# Altium PCB CORE_BOARD.PcbDoc (part 2 of 2)
Units mm, origin at the board's own origin, x right, y up, seen from the top; angles counter-clockwise.
Board outline 58 x 85.8 mm, 4 copper layers (Top Layer, PWR02, GND03, Bottom Layer), stack 1.883 mm thick; 89 components, 117 nets, 444 pads, 229 vias.
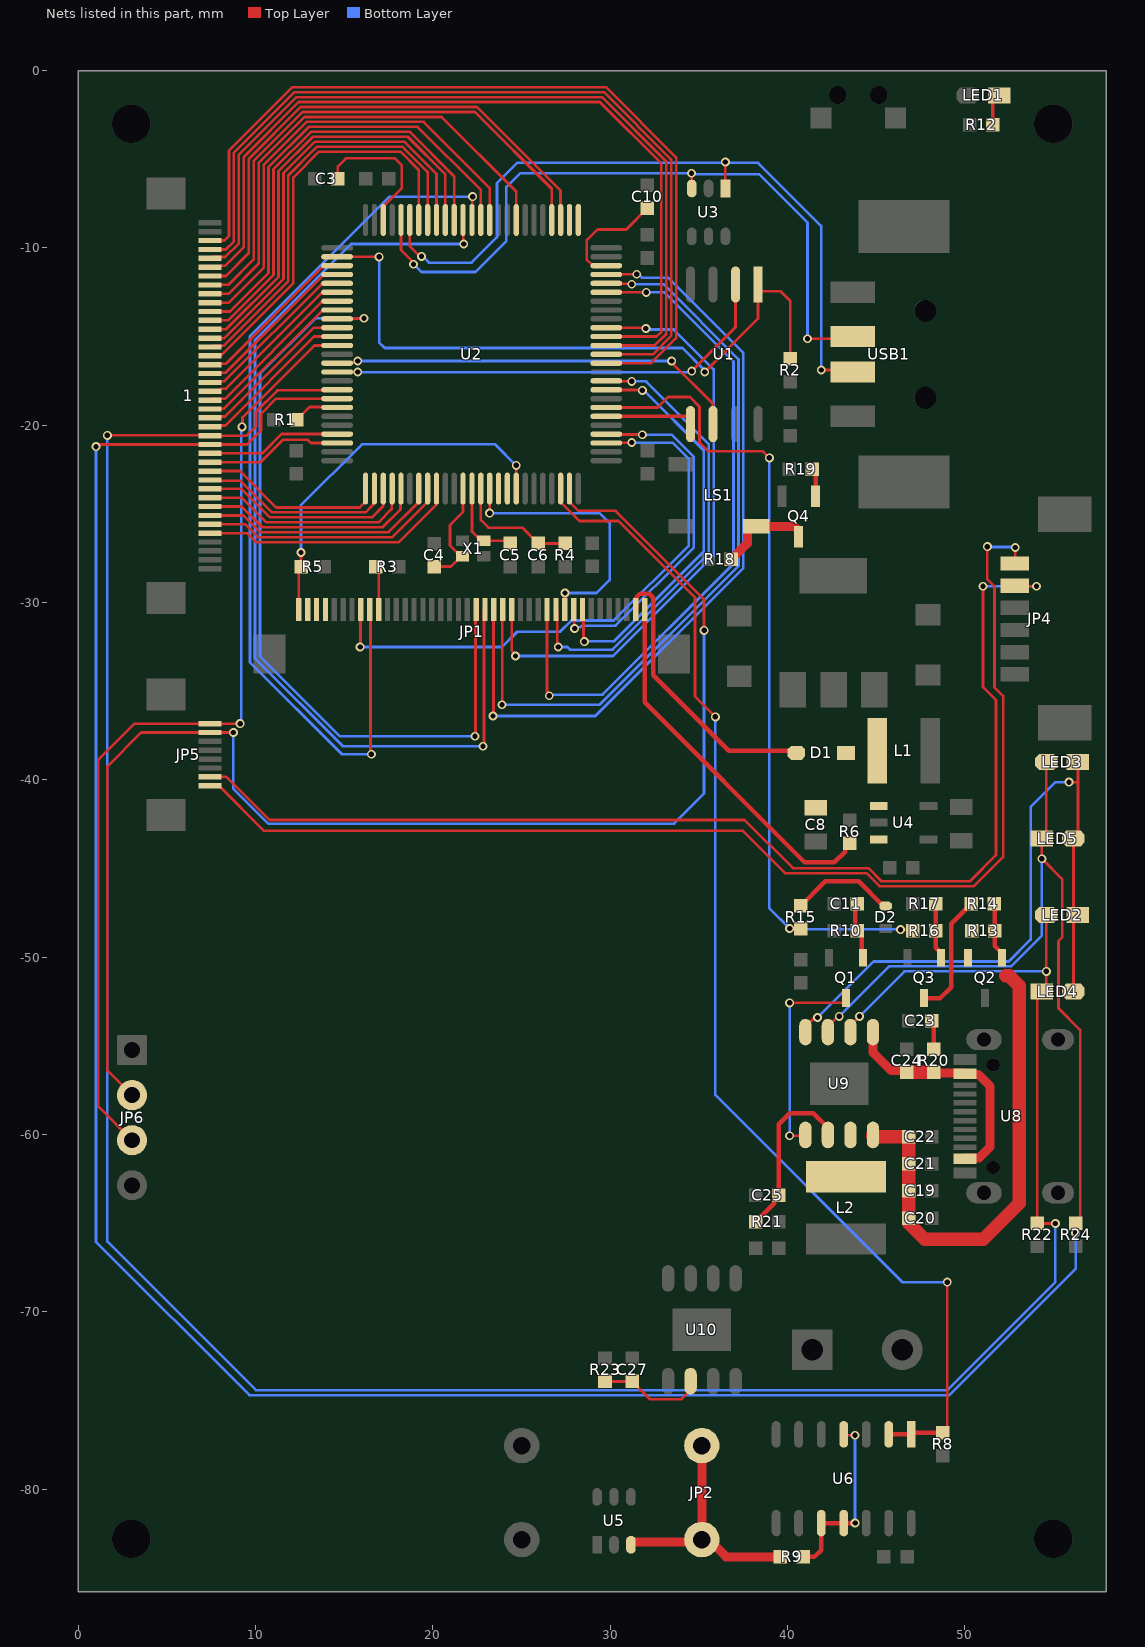
[diagram p4: the nets of this part, all layers, seen from the top]

## Via types
v1: diameter 0.5, hole 0.3, Top Layer to Bottom Layer, tented both sides, 229 vias

## Nets (pads, with @x,y where several pads share a name; then routed paths per layer and width w, separated by ;. In a path a pad name is that pad's centre, name@x,y a point inside that pad or via, vN(x,y) a via of type N, cw(c..) or ccw(c..) an arc to the next point about the centre after c; other vN are vias at no path point) (continued)
LCD_G3: JP1.25 U2.41 | length 33.8
  Top Layer w0.152: JP1.25@24.451,-30.4 24.451,-32.707 24.67,-32.926 v1(24.67,-33.02) ; U2.41@29.788,-14.502 31.973,-14.502 v1(32.02,-14.549)
  Bottom Layer w0.152: v1(24.67,-33.02) 30.178,-33.02 35.846,-27.352 35.846,-16.863 33.588,-14.605 32.076,-14.605 v1(32.02,-14.549)
LCD_G4: JP1.24 U2.46 | length 42.8
  Top Layer w0.152: v1(23.908,-35.767) 23.929,-35.746 23.929,-30.421 JP1.24@23.951,-30.4 ; U2.46@29.788,-12.002 29.812,-12.025 31.202,-12.025 v1(31.225,-12.049)
  Bottom Layer w0.152: v1(23.908,-35.767) 29.407,-35.767 37.243,-27.931 37.243,-16.284 33.007,-12.049 v1(31.225,-12.049)
LCD_G5: JP1.23 U2.47 | length 45.3
  Top Layer w0.152: v1(23.4,-36.402) 23.425,-36.377 23.425,-30.425 JP1.23@23.451,-30.4 ; U2.47@29.788,-11.502 29.795,-11.495 31.5,-11.495 v1(31.507,-11.489)
  Bottom Layer w0.152: v1(23.4,-36.402) 29.167,-36.402 37.522,-28.046 37.522,-15.926 33.277,-11.681 31.793,-11.681 31.601,-11.489 v1(31.507,-11.489)
LCD_G6: JP1.22 U2.64 | length 56
  Top Layer w0.152: U2.64@21.714,-8.427 21.731,-8.445 21.731,-9.761 v1(21.749,-9.779) ; v1(22.841,-38.104) 22.896,-38.049 22.896,-30.455 JP1.22@22.951,-30.4
  Bottom Layer w0.152: v1(21.749,-9.779) 15.399,-9.779 9.982,-15.196 9.982,-33.158 14.928,-38.104 v1(22.841,-38.104)
LCD_G7: JP1.21 U2.84 | length 45.8
  Top Layer w0.152: U2.84@14.614,-14.002 14.63,-13.986 16.113,-13.986 v1(16.129,-13.97) ; v1(22.384,-37.545) 22.417,-37.512 22.417,-30.433 JP1.21@22.451,-30.4
  Bottom Layer w0.152: v1(16.129,-13.97) 13.387,-13.97 10.262,-17.095 10.262,-33.043 14.764,-37.545 v1(22.384,-37.545)
LCD_HSYNC: JP1.9 U2.63 | length 52.7
  Top Layer w0.152: JP1.9@16.451,-30.4 16.496,-30.446 16.496,-38.511 v1(16.542,-38.557) ; U2.63@22.214,-8.427 22.234,-8.407 22.234,-7.129 v1(22.254,-7.109)
  Bottom Layer w0.152: v1(16.542,-38.557) 14.887,-38.557 9.703,-33.373 9.703,-14.967 17.558,-7.112 22.251,-7.112 v1(22.254,-7.109)
LCD_ONOFF: JP1.10 R3.2 | length 2.5
  Top Layer w0.152: R3.2@16.781,-27.971 16.951,-28.141 JP1.10@16.951,-30.4
LCD_R3: JP1.33 U2.34 | length 23.3
  Top Layer w0.152: JP1.33@28.451,-30.4 28.501,-30.45 28.501,-32.154 v1(28.552,-32.204) ; U2.34@29.788,-18.002 30.59,-18.002 30.606,-18.018 31.893,-18.018 v1@31.909,-18.034
  Bottom Layer w0.152: v1(28.552,-32.204) 28.571,-32.185 30.223,-32.185 35.287,-27.12 35.287,-21.412 v1@31.909,-18.034
  other v1: 31.823,-18.034
LCD_R4: JP1.32 U2.29 | length 20.3
  Top Layer w0.152: JP1.32@27.951,-30.4 27.979,-30.428 27.979,-31.438 v1(28.007,-31.467) ; U2.29@29.788,-20.502 29.807,-20.521 31.801,-20.521 v1(31.823,-20.543)
  Bottom Layer w0.152: v1(28.007,-31.467) 28.074,-31.4 28.32,-31.4 28.413,-31.307 30.31,-31.307 34.728,-26.889 34.728,-21.785 33.486,-20.543 v1(31.823,-20.543)
LCD_R5: JP1.31 U2.15 | length 15.3
  Top Layer w0.152: v1(23.214,-24.96) U2.15@23.214,-23.577 ; JP1.31@27.451,-30.4 27.457,-30.393 27.457,-29.471 v1(27.464,-29.464)
  Bottom Layer w0.152: v1(23.214,-24.96) 29.411,-24.96 29.979,-25.527 29.979,-28.727 29.242,-29.464 v1(27.464,-29.464)
LCD_R6: JP1.30 U2.35 | length 26.4
  Top Layer w0.152: JP1.30@26.951,-30.4 27.017,-30.466 27.017,-32.446 v1(27.083,-32.512) ; U2.35@29.788,-17.502 29.8,-17.514 31.213,-17.514 v1(31.225,-17.526)
  Bottom Layer w0.152: v1(27.083,-32.512) 27.591,-32.512 27.736,-32.657 30.145,-32.657 35.567,-27.236 35.567,-21.051 32.042,-17.526 v1(31.225,-17.526)
LCD_R7: JP1.29 U2.45 | length 38.6
  Top Layer w0.152: JP1.29@26.451,-30.4 JP1.29@26.451,-30.4 26.449,-35.039 26.575,-35.165 v1(26.575,-35.259) ; U2.45@29.788,-12.502 29.79,-12.504 32.039,-12.504 v1(32.044,-12.508)
  Bottom Layer w0.152: v1(26.575,-35.259) 26.637,-35.197 29.581,-35.197 36.964,-27.815 36.964,-16.4 33.072,-12.508 v1(32.044,-12.508)
LCD_VSYNC: JP1.8 U2.28 | length 33
  Top Layer w0.152: v1(15.907,-32.512) 15.929,-32.49 15.929,-30.422 JP1.8@15.951,-30.4 ; U2.28@29.788,-21.002 29.802,-20.988 31.211,-20.988 v1(31.225,-20.974)
  Bottom Layer w0.152: v1(15.907,-32.512) 23.905,-32.512 24.768,-31.648 27.185,-31.648 27.82,-31.013 30.209,-31.013 34.449,-26.773 34.449,-21.901 33.544,-20.996 31.247,-20.996 v1(31.225,-20.974)
LEDK(+): C8.1 D1.2 JP1.39 | length 16.1
  Top Layer w0.254: JP1.39@31.451,-30.4 31.474,-30.377 31.474,-29.718 31.696,-29.496 32.206,-29.496 32.447,-29.737 32.447,-34.102 36.699,-38.354 40.383,-38.354 D1.2@40.51,-38.481
LEDK(-): JP1.40 R6.2 U4.3 | length 20.7
  Top Layer w0.254: JP1.40@31.951,-30.4 31.951,-35.634 40.97,-44.653 42.655,-44.653 43.261,-44.047 R6.2@43.261,-43.83
Net1_3: 1.3 U2.37 | length 49
  Top Layer w0.152: 1.3@7.45,-9.589 8.255,-9.589 8.509,-9.335 8.509,-4.515 12.085,-0.94 29.769,-0.94 33.731,-4.902 33.731,-15.079 32.308,-16.502 U2.37@29.788,-16.502
Net1_4: 1.4 U2.38 | length 48.2
  Top Layer w0.152: 1.4@7.45,-10.089 8.329,-10.089 8.788,-9.629 8.788,-4.631 12.2,-1.219 29.653,-1.219 33.452,-5.018 33.452,-14.963 32.413,-16.002 U2.38@29.788,-16.002
Net1_5: 1.5 U2.39 | length 47.3
  Top Layer w0.152: 1.5@7.45,-10.589 7.524,-10.515 8.298,-10.515 9.068,-9.745 9.068,-4.747 12.316,-1.499 29.537,-1.499 33.172,-5.134 33.172,-14.848 32.518,-15.502 U2.39@29.788,-15.502
Net1_6: 1.6 U2.40 | length 45.9
  Top Layer w0.152: 1.6@7.95,-11.089 8.024,-11.015 8.289,-11.015 9.347,-9.957 9.347,-4.862 12.432,-1.778 29.422,-1.778 32.893,-5.249 32.893,-14.732 32.623,-15.002 U2.40@29.788,-15.002
Net1_7: 1.7 U2.53 | length 30.4
  Top Layer w0.152: 1.7@7.45,-11.589 8.336,-11.589 9.627,-10.298 9.627,-4.978 12.547,-2.057 22.502,-2.057 27.214,-6.769 U2.53@27.214,-8.427
Net1_8: 1.8 U2.54 | length 30.1
  Top Layer w0.152: 1.8@7.45,-12.089 7.458,-12.081 8.493,-12.081 9.906,-10.668 9.906,-5.094 12.663,-2.337 22.386,-2.337 26.714,-6.664 U2.54@26.714,-8.427
Net1_9: 1.9 U2.58 | length 27.3
  Top Layer w0.152: 1.9@7.45,-12.589 8.493,-12.589 10.185,-10.897 10.185,-5.21 12.779,-2.616 20.506,-2.616 24.714,-6.823 24.714,-7.642 U2.58@24.725,-7.654
Net1_10: 1.10 U2.61 | length 26.7
  Top Layer w0.152: 1.10@7.45,-13.089 8.501,-13.089 10.465,-11.125 10.465,-5.325 12.895,-2.896 19.483,-2.896 23.214,-6.626 U2.61@23.214,-8.427
Net1_11: 1.11 U2.62 | length 26.2
  Top Layer w0.152: 1.11@7.45,-13.589 8.565,-13.589 10.744,-11.41 10.744,-5.441 13.01,-3.175 19.147,-3.175 22.714,-6.742 U2.62@22.714,-8.427
Net1_12: 1.12 U2.65 | length 25.2
  Top Layer w0.152: 1.12@7.45,-14.089 8.46,-14.089 11.024,-11.526 11.024,-5.557 13.126,-3.454 18.709,-3.454 21.214,-5.959 U2.65@21.214,-8.427
Net1_13: 1.13 U2.66 | length 24.7
  Top Layer w0.152: 1.13@7.45,-14.589 8.356,-14.589 11.303,-11.642 11.303,-5.673 13.242,-3.734 18.593,-3.734 20.714,-5.855 U2.66@20.714,-8.427
Net1_14: 1.14 U2.67 | length 24.2
  Top Layer w0.152: 1.14@7.45,-15.089 8.251,-15.089 11.582,-11.757 11.582,-6.026 11.582,-5.788 13.256,-4.115 13.358,-4.013 18.404,-4.013 18.506,-4.115 20.214,-5.823 U2.67@20.214,-8.427
Net1_15: 1.15 U2.68 | length 23.7
  Top Layer w0.152: 1.15@7.45,-15.589 7.524,-15.515 8.22,-15.515 11.862,-11.873 11.862,-6.158 11.862,-5.904 13.372,-4.394 13.473,-4.293 18.288,-4.293 18.39,-4.394 19.714,-5.718 U2.68@19.714,-8.427
Net1_16: 1.16 U2.69 | length 23.3
  Top Layer w0.152: 1.16@7.45,-16.089 7.524,-16.015 8.115,-16.015 12.141,-11.989 12.141,-6.02 13.589,-4.572 18.173,-4.572 19.214,-5.613 U2.69@19.214,-8.427
Net1_17: 1.17 U2.78 | length 9.5
  Top Layer w0.152: 1.17@7.45,-16.589 7.502,-16.537 8.329,-16.537 13.864,-11.002 U2.78@14.614,-11.002
Net1_18: 1.18 U2.79 | length 9.5
  Top Layer w0.152: 1.18@7.45,-17.089 7.972,-17.089 8.024,-17.037 8.329,-17.037 13.864,-11.502 U2.79@14.614,-11.502
Net1_19: 1.19 U2.80 | length 9.5
  Top Layer w0.152: 1.19@7.45,-17.589 7.524,-17.515 8.266,-17.515 13.751,-12.03 14.585,-12.03 U2.80@14.614,-12.002
Net1_20: 1.20 U2.81 | length 9.5
  Top Layer w0.152: 1.20@7.45,-18.089 7.95,-18.089 8.097,-17.942 8.347,-17.942 13.713,-12.576 13.75,-12.576 13.824,-12.502 U2.81@14.614,-12.502
Net1_21: 1.21 U2.82 | length 9.5
  Top Layer w0.152: 1.21@7.45,-18.589 7.524,-18.515 8.282,-18.515 13.767,-13.03 14.585,-13.03 U2.82@14.614,-13.002
Net1_22: 1.22 U2.83 | length 9.5
  Top Layer w0.152: 1.22@7.45,-19.089 7.473,-19.066 8.239,-19.066 13.775,-13.53 14.585,-13.53 U2.83@14.614,-13.502
Net1_23: 1.23 U2.85 | length 9.3
  Top Layer w0.152: 1.23@7.45,-19.589 7.524,-19.515 8.298,-19.515 13.311,-14.502 U2.85@14.614,-14.502
Net1_24: 1.24 U2.86 | length 9.3
  Top Layer w0.152: 1.24@7.45,-20.089 7.524,-20.015 8.306,-20.015 13.319,-15.002 U2.86@14.614,-15.002
Net1_27: 1.27 U2.97 | length 7.6
  Top Layer w0.152: 1.27@7.45,-21.589 10.389,-21.589 11.476,-20.502 U2.97@14.614,-20.502
Net1_28: 1.28 U2.98 | length 7.8
  Top Layer w0.152: 1.28@7.45,-22.089 10.284,-22.089 11.545,-20.828 12.954,-20.828 13.128,-21.002 U2.98@14.614,-21.002
Net1_29: 1.29 U2.1 | length 10.5
  Top Layer w0.152: 1.29@7.45,-22.589 9.127,-22.589 11.176,-24.638 15.882,-24.638 16.214,-24.306 U2.1@16.214,-23.577
Net1_30: 1.30 U2.2 | length 11.1
  Top Layer w0.152: 1.30@7.45,-23.089 7.5,-23.139 9.169,-23.139 10.947,-24.917 16.214,-24.917 16.644,-24.487 16.644,-24.436 16.714,-24.367 U2.2@16.714,-23.577
Net1_31: 1.31 U2.3 | length 11.7
  Top Layer w0.152: 1.31@7.45,-23.589 9.224,-23.589 10.832,-25.197 16.583,-25.197 17.214,-24.567 U2.3@17.214,-23.577
Net1_32: 1.32 U2.4 | length 12.3
  Top Layer w0.152: 1.32@7.45,-24.089 9.23,-24.089 10.617,-25.476 16.942,-25.476 17.685,-24.733 17.685,-23.605 U2.4@17.714,-23.577
Net1_33: 1.33 U2.5 | length 12.5
  Top Layer w0.152: 1.33@7.45,-24.589 9.222,-24.589 10.389,-25.756 17.17,-25.756 18.181,-24.745 18.181,-24.464 18.185,-24.459 18.185,-23.898 U2.5@18.208,-23.875
Net1_34: 1.34 U2.7 | length 13.6
  Top Layer w0.152: 1.34@7.45,-25.089 9.327,-25.089 10.273,-26.035 17.505,-26.035 19.214,-24.327 U2.7@19.214,-23.577
Net1_35: 1.35 U2.8 | length 14.1
  Top Layer w0.152: 1.35@7.45,-25.589 9.432,-25.589 10.157,-26.314 17.726,-26.314 19.714,-24.327 U2.8@19.714,-23.577
Net1_36: 1.36 U2.9 | length 14.7
  Top Layer w0.152: 1.36@7.45,-26.089 9.537,-26.089 10.041,-26.594 18.093,-26.594 20.185,-24.502 20.185,-23.605 U2.9@20.214,-23.577
NetC3_1: C3.1 U2.73 | length 8.1
  Top Layer w0.152: C3.1@14.652,-6.096 14.652,-5.414 15.113,-4.953 17.867,-4.953 18.248,-5.334 18.248,-6.643 17.214,-7.677 U2.73@17.214,-8.427
NetC4_1: C4.1 U2.12 X1.1 | length 6.2
  Top Layer w0.152: C4.1@20.176,-27.971 21.027,-27.971 X1.1@21.632,-27.365 ; X1.1@21.68,-27.365 21.569,-27.365 21.38,-27.177 21.38,-27.175 20.98,-26.776 20.98,-25.629 21.714,-24.895 U2.12@21.714,-23.577
NetC5_1: C5.1 U2.13 X1.3 | length 4.9
  Top Layer w0.152: U2.13@22.214,-23.577 22.214,-26.008 22.727,-26.521 22.802,-26.521 24.217,-26.521 C5.1@24.367,-26.671
NetC6_2: C6.2 R4.1 U2.14 | length 7.1
  Top Layer w0.152: U2.14@22.714,-23.577 22.714,-25.349 23.146,-25.781 25.05,-25.781 C6.2@25.94,-26.671 27.449,-26.671 R4.1@27.464,-26.686
NetC10_2: C10.2 U2.48 | length 6.5
  Top Layer w0.152: U2.48@29.788,-11.002 29.038,-11.002 28.685,-10.649 28.685,-9.574 29.298,-8.961 30.915,-8.961 C10.2@32.114,-7.762
NetC11_2: C11.2 Q1.1 R10.2 | length 3.3
  Top Layer w0.254: C11.2@43.942,-46.99 43.83,-47.102 43.83,-48.387 R10.2@43.957,-48.514 44.196,-48.753 44.196,-49.977 Q1.1@44.257,-50.038
NetC19_1: C19.1 C20.1 C21.1 C22.1 Q2.2 R13.2 U9.8 | length 27.9
  Top Layer w0.762: U9.8@44.831,-60.029 44.831,-60.104 44.862,-60.135 C22.1@46.848,-60.135 C21.1@46.848,-61.659 46.848,-62.675 C19.1@46.848,-63.183 46.848,-64.205 46.852,-64.21 C20.1@46.852,-64.898 ; C20.1@46.852,-64.718 46.852,-65.013 47.752,-65.913 51.054,-65.913 53.086,-63.881 53.086,-51.627 52.505,-51.046 52.324,-51.046
NetC23_1: C23.1 R20.1 | length 1.6
  Top Layer w0.254: C23.1@48.148,-53.594 48.26,-53.706 R20.1@48.26,-55.182
NetC24_1: C24.1 R20.2 U8.2 U8.11 U9.1 | length 13.6
  Top Layer w0.508: U9.1@44.831,-54.229 44.831,-55.372 45.863,-56.404 46.658,-56.404 C24.1@46.736,-56.482 ; R20.2@48.26,-56.482 48.304,-56.526 49.979,-56.526 U8.11@50.023,-56.57 50.069,-56.616 50.758,-56.616 51.435,-57.293 51.435,-60.706 50.817,-61.324 50.069,-61.324 U8.2@50.023,-61.37
  Top Layer w0.762: C24.1@46.736,-56.482 R20.2@48.26,-56.482
NetC25_1: C25.1 R21.1 U9.6 | length 9.8
  Top Layer w0.254: R21.1@38.212,-64.929 39.258,-63.883 39.258,-63.69 C25.1@39.512,-63.436 39.512,-59.421 40.132,-58.801 41.463,-58.801 42.291,-59.629 U9.6@42.291,-60.029
NetC27_1: C27.1 R23.2 U10.6 | length 6
  Top Layer w0.152: R23.2@29.718,-73.929 31.242,-73.929 32.243,-74.93 34.036,-74.93 34.544,-74.422 U10.6@34.544,-73.914
NetD1_1: D1.1 L1.2 U4.1
NetD2_2: D2.2 R15.2 | length 5.9
  Top Layer w0.254: R15.2@40.767,-47.102 42.145,-45.724 44.024,-45.724 45.417,-47.117 D2.2@45.542,-47.117
NetJP4_5: JP4.5 JP5.7 | length 67.1
  Top Layer w0.152: JP5.7@7.45,-39.833 8.362,-39.833 10.795,-42.266 37.592,-42.266 40.31,-44.983 44.576,-44.983 45.312,-45.72 50.292,-45.72 51.765,-44.247 51.765,-35.509 51.033,-34.777 v1(51.033,-29.083) ; JP4.5@52.834,-29.051 52.867,-29.083 v1(54.051,-29.083)
  Bottom Layer w0.152: v1(51.033,-29.083) v1(54.051,-29.083)
NetJP4_6: JP4.6 JP5.8 | length 68.1
  Top Layer w0.152: JP5.8@7.45,-40.333 7.95,-40.333 10.493,-42.875 37.49,-42.875 39.878,-45.263 44.46,-45.263 45.196,-45.999 50.521,-45.999 52.172,-44.348 52.172,-35.27 51.689,-34.788 51.689,-29.098 51.283,-28.692 v1(51.283,-26.848) ; JP4.6@52.834,-27.801 52.857,-27.778 v1(52.857,-26.899)
  Bottom Layer w0.152: v1(51.283,-26.848) 51.308,-26.873 52.832,-26.873 v1(52.857,-26.899)
NetJP5_1: JP5.1 JP6.3 U2.87 | length 55.4
  Top Layer w0.152: JP6.3@3.048,-60.325 1.143,-58.42 1.143,-38.862 3.172,-36.833 JP5.1@7.45,-36.833 v1(9.142,-36.832) ; v1(9.25,-20.093) 9.271,-20.072 9.271,-19.558 13.327,-15.502 U2.87@14.614,-15.502
  Bottom Layer w0.152: v1(9.142,-36.832) 9.196,-36.778 9.196,-20.147 v1(9.25,-20.093)
NetJP5_2: JP5.2 JP6.2 U2.24 | length 79.8
  Top Layer w0.152: JP6.2@3.048,-57.785 1.651,-56.388 1.651,-39.243 3.561,-37.333 JP5.2@7.45,-37.333 v1(8.758,-37.333) ; U2.24@27.714,-23.577 27.714,-24.326 28.217,-24.829 30.305,-24.829 35.306,-29.831 v1(35.306,-31.572)
  Bottom Layer w0.152: v1(8.758,-37.333) 8.758,-40.508 10.719,-42.469 33.604,-42.469 35.306,-40.767 v1(35.306,-31.572)
NetL2_1: L2.1 U9.7
NetLED1_1: LED1.1 R12.1 | length 1.8
  Top Layer w0.203: R12.1@51.577,-3.048 51.577,-1.746 51.92,-1.404 LED1.1@51.943,-1.404
NetLED2_1: LED2.1 LED3.1 LED4.2 LED5.2 U9.4 | length 39
  Top Layer w0.152: U9.4@41.021,-54.229 41.021,-53.936 41.484,-53.474 41.632,-53.474 v1(41.699,-53.407) ; v1(55.884,-40.132) 56.388,-40.132 ; LED4.2@56.134,-51.943 56.134,-47.881 LED2.1@56.388,-47.627 56.134,-47.373 LED5.2@56.134,-43.311 56.388,-43.057 56.388,-40.132 ; LED3.1@56.388,-38.996 56.388,-40.132
  Bottom Layer w0.152: v1(41.699,-53.407) 44.865,-50.241 52.488,-50.241 53.721,-49.008 53.721,-41.529 55.118,-40.132 v1(55.884,-40.132)
NetLS1_2: LS1.2 Q4.3 R18.2 | length 5.5
  Top Layer w0.508: R18.2@36.845,-27.559 37.743,-26.661 37.743,-25.848 37.889,-25.702 LS1.2@38.239,-25.702 40.395,-25.702 40.64,-25.947 Q4.3@40.64,-26.289
NetQ1_3: Q1.3 U9.5 | length 11.8
  Top Layer w0.152: v1(40.132,-60.071) 40.979,-60.071 U9.5@41.021,-60.029 ; v1(40.132,-52.578) 43.158,-52.578 43.307,-52.429 Q1.3@43.307,-52.306
  Bottom Layer w0.152: v1(40.132,-60.071) v1(40.132,-52.578)
NetQ2_1: Q2.1 R13.1 R14.2 | length 3.2
  Top Layer w0.152: R14.2@51.672,-46.99 R14.2@51.687,-47.005
  Top Layer w0.254: R14.2@51.687,-47.005 R13.1@51.687,-48.514 51.687,-49.351 52.099,-49.763 Q2.1@52.099,-50.038
NetQ3_1: Q3.1 R16.1 R17.2 | length 3.2
  Top Layer w0.254: R17.2@48.37,-46.99 R16.1@48.37,-48.514 48.37,-49.463 48.67,-49.763 Q3.1@48.67,-50.038
NetQ3_3: Q3.3 R14.1 | length 6.9
  Top Layer w0.254: Q3.3@47.72,-52.306 48.627,-52.306 49.244,-51.689 49.244,-48.118 R14.1@50.372,-46.99
NetQ4_1: Q4.1 R19.2 | length 1.6
  Top Layer w0.254: R19.2@41.417,-22.479 41.59,-22.652 Q4.1@41.59,-24.003
NetR1_2: R1.2 U2.94 | length 2.6
  Top Layer w0.152: R1.2@12.334,-19.685 13.05,-18.969 13.79,-18.969 13.824,-19.002 U2.94@14.614,-19.002
NetR9_2: R9.2 U6.4 U6.10 U6.11 | length 10.2
  Top Layer w0.152: U6.4@43.18,-76.915 43.227,-76.962 v1(43.815,-76.962)
  Top Layer w0.254: R9.2@40.909,-83.82 40.916,-83.827 41.522,-83.827 41.91,-83.439 U6.10@41.91,-81.915 U6.11@43.18,-81.915 v1(43.823,-81.915)
  Bottom Layer w0.152: v1(43.815,-76.962) 43.819,-76.966 43.819,-81.911 v1(43.823,-81.915)
PWM: R8.1 U2.23 U6.1 U6.2 | length 68.2
  Top Layer w0.152: U2.23@27.214,-23.577 27.214,-24.327 28.287,-25.4 30.48,-25.4 34.798,-29.718 34.798,-35.306 v1(35.941,-36.449) ; R8.1@48.768,-76.82 49.022,-76.566 v1(49.022,-68.326)
  Top Layer w0.254: U6.2@45.72,-76.915 U6.1@46.99,-76.915 47.085,-76.82 R8.1@48.768,-76.82
  Bottom Layer w0.152: v1(35.941,-36.449) 35.941,-57.785 46.482,-68.326 v1(49.022,-68.326)
PWR_CTRL: R15.1 R16.2 U2.32 | length 46.7
  Top Layer w0.152: U2.32@29.788,-19.002 32.687,-19.002 33.274,-18.415 34.506,-18.415 35.052,-18.961 35.052,-20.983 35.532,-21.463 38.608,-21.463 v1(38.989,-21.844) ; v1(40.132,-48.387) 40.752,-48.387 R15.1@40.767,-48.402 ; v1(46.386,-48.45) 47.007,-48.45 R16.2@47.07,-48.514
  Bottom Layer w0.152: v1(38.989,-21.844) 38.989,-47.244 40.164,-48.419 46.354,-48.419 v1(46.386,-48.45)
SCK: 1.25 LED2.2 LED4.1 R22.1 U2.92 U9.2 | length 154.1
  Top Layer w0.152: v1(1.651,-20.574) 7.435,-20.574 1.25@7.45,-20.589 9.51,-20.589 10.033,-20.066 10.033,-19.242 11.241,-18.034 13.792,-18.034 13.824,-18.002 U2.92@14.614,-18.002 ; U9.2@43.561,-54.229 43.561,-53.839 44.06,-53.34 v1(44.069,-53.34) ; LED2.2@54.61,-47.627 v1(54.61,-50.8) 54.61,-51.689 LED4.1@54.356,-51.943 54.092,-52.207 R22.1@54.092,-65.009 54.107,-65.024 v1(55.118,-65.024)
  Bottom Layer w0.152: v1(1.651,-20.574) 1.651,-66.04 10.033,-74.422 49.022,-74.422 55.118,-68.326 v1(55.118,-65.024) ; v1(44.069,-53.34) 46.609,-50.8 v1(54.61,-50.8)
SDA: 1.26 LED3.2 LED5.1 R24.1 U2.93 U9.3 | length 170.4
  Top Layer w0.152: v1(1.016,-21.209) 1.11,-21.209 1.23,-21.089 1.26@7.45,-21.089 9.518,-21.089 10.312,-20.295 10.312,-19.357 11.168,-18.502 U2.93@14.614,-18.502 ; U9.3@42.291,-54.229 42.291,-53.902 42.853,-53.34 v1(42.926,-53.34) ; LED5.1@54.356,-43.311 v1(54.356,-44.45) 55.499,-45.593 55.499,-48.883 55.296,-49.086 55.296,-52.883 56.515,-54.102 R24.1@56.515,-64.882 ; LED5.1@54.356,-43.311 54.61,-43.058 LED3.2@54.61,-38.996 ; v1(56.261,-65.551) R24.1@56.261,-65.009
  Bottom Layer w0.152: v1(1.016,-21.209) 1.016,-66.054 9.663,-74.701 49.138,-74.701 56.261,-67.578 v1(56.261,-65.551) ; v1(42.926,-53.34) 45.745,-50.521 52.603,-50.521 54.356,-48.768 v1(54.356,-44.45)
SPI1_MISO: U1.2 U2.90 | length 25.9
  Top Layer w0.152: U2.90@14.614,-17.002 v1(15.772,-17.002) ; v1(34.609,-16.95) 37.08,-14.478 U1.2@37.08,-12.065
  Bottom Layer w0.152: v1(15.772,-17.002) 15.78,-17.01 34.548,-17.01 v1(34.609,-16.95)
SPI1_MOSI: U1.5 U2.31 | length 5.1
  Top Layer w0.203: U2.31@29.788,-19.502 34.403,-19.502 34.54,-19.639 U1.5@34.54,-19.939
SPI1_NSS: R2.1 U1.1 U2.77 | length 37.8
  Top Layer w0.152: U2.77@14.614,-10.502 14.616,-10.504 16.977,-10.504 v1(16.979,-10.506) ; v1(35.342,-17) 38.35,-13.992 U1.1@38.35,-12.272 ; U1.1@38.35,-12.065 U1.1@38.35,-12.272 ; R2.1@40.164,-16.241 40.164,-12.986 39.624,-12.446 38.524,-12.446 U1.1@38.35,-12.272
  Bottom Layer w0.152: v1(16.979,-10.506) 16.979,-15.332 17.298,-15.65 34.078,-15.65 35.342,-16.914 v1(35.342,-17)
SPI1_SCK: U1.6 U2.89 | length 23.4
  Top Layer w0.152: U2.89@14.614,-16.502 14.642,-16.474 15.581,-16.474 15.679,-16.375 v1(15.773,-16.375) ; v1(33.473,-16.383) 33.473,-16.455 35.81,-18.792 U1.6@35.81,-19.939
  Bottom Layer w0.152: v1(15.773,-16.375) 15.777,-16.38 32.918,-16.38 32.922,-16.383 v1(33.473,-16.383)
SPI2_MISO: U2.17
SPI2_MOSI: U2.16
SPI2_NSS: U2.51
SPI2_SCK: U2.52
TP_XL: JP1.2
TP_XR: JP1.4
TP_YD: JP1.3
TP_YU: JP1.1 R5.2 U2.18 | length 21.3
  Top Layer w0.152: JP1.1@12.451,-30.4 12.451,-28.079 R5.2@12.59,-27.94 ; v1(12.573,-27.178) 12.573,-27.954 R5.2@12.59,-27.971 ; v1(24.71,-22.265) 24.712,-22.267 24.712,-23.575 U2.18@24.714,-23.577
  Bottom Layer w0.152: v1(12.573,-27.178) 12.573,-24.511 16.002,-21.082 23.527,-21.082 v1(24.71,-22.265)
USB_N: U2.70 U3.1 USB1.2 | length 42.1
  Top Layer w0.152: U2.70@18.714,-8.427 18.714,-9.916 19.277,-10.479 v1(19.366,-10.479) ; v1(36.505,-5.16) 36.505,-6.646 U3.1@36.51,-6.651 ; v1(41.91,-16.891) 43.573,-16.891 USB1.2@43.684,-17.002
  Bottom Layer w0.152: v1(19.366,-10.479) 19.444,-10.479 19.797,-10.832 22.188,-10.832 23.622,-9.398 23.622,-6.35 24.765,-5.207 36.458,-5.207 v1(36.505,-5.16) 36.552,-5.207 38.348,-5.207 41.91,-8.769 v1(41.91,-16.891)
USB_P: U2.71 U3.3 USB1.3 | length 40.4
  Top Layer w0.152: U2.71@18.214,-8.427 18.214,-10.123 18.923,-10.832 v1(18.923,-10.922) ; v1(34.6,-5.795) 34.605,-5.8 34.605,-6.646 U3.3@34.61,-6.651 ; v1(41.133,-15.128) 43.558,-15.128 USB1.3@43.684,-15.002
  Bottom Layer w0.152: v1(18.923,-10.922) 19.367,-11.366 22.409,-11.366 24.155,-9.619 24.155,-6.571 24.931,-5.795 v1(34.6,-5.795) 34.647,-5.842 38.409,-5.842 41.133,-8.566 v1(41.133,-15.128)
WAVE_OUT: JP2.1 R9.1 U5.3 | length 14.3
  Top Layer w0.508: U5.3@31.176,-83.138 31.176,-83.013 31.195,-82.993 35.034,-82.993 JP2.1@35.179,-82.849 ; JP2.1@35.179,-77.549 JP2.1@35.179,-82.849 ; R9.1@39.609,-83.82 36.554,-83.82 35.583,-82.849 JP2.1@35.179,-82.849
pads on no net: 1.0 1.1 1.2 JP1.0 JP1.6 JP4.0 JP5.0 K1. LS1.3 U2.36 U2.88 U3.4 U3.6 U5.1 U5.4 U5.5 U5.6 U8. U8.3 U8.4 U8.5 U8.6 U8.7 U8.8 U8.9 U8.10 USB1.7 USB1.8

## Polygon pours and split planes (outlines as drawn)
DGND on Top Layer "DGND_L01_P025" (solid, pour order 25): 42.037,-29.972 49.149,-29.972 49.149,-32.004 43.002,-32.004 41.148,-33.858 41.148,-35.941 38.481,-35.941 37.211,-35.941 35.941,-34.671 35.941,-33.401 38.608,-33.401
5V on Top Layer "5V_L01_P000" (solid, pour order 0): 49.149,-32.385 44.933,-32.385 44.018,-33.299 44.018,-35.941 46.006,-35.941 46.133,-36.068 46.133,-40.337 47.452,-41.656 47.96,-42.164 50.754,-42.164 50.754,-41.021 50.754,-36.449 49.149,-34.844
3V3 on Top Layer "3V3_L01_P026" (solid, pour order 26): 37.973,-33.274 41.783,-29.464 42.088,-29.464 44.552,-29.464 44.552,-27.432 40.64,-27.432 38.608,-29.464 36.322,-29.464 35.941,-29.845 35.941,-33.274
DGND on Top Layer "DGND_L01_P030" (solid, pour order 30): 8.128,-28.321 8.128,-27.305 3.175,-27.305 3.175,-28.321
5V on Top Layer "5V_L01_P029" (solid, pour order 29): 8.128,-26.416 8.128,-27.305 3.175,-27.305 3.175,-26.416
B- on Top Layer "B-_L01_P012" (solid, pour order 12): 37.084,-69.723 43.307,-69.723 43.815,-70.231 43.815,-74.295 43.307,-74.803 35.56,-74.803 35.306,-74.549 35.306,-72.771 33.909,-72.771 33.909,-74.549 33.655,-74.803 32.893,-74.803 32.512,-74.422 32.512,-73.152 30.48,-73.152 30.48,-71.882 32.385,-71.882 32.639,-71.628 32.639,-69.723
B+ on Top Layer "B+_L01_P013" (solid, pour order 13): 43.688,-66.802 44.323,-67.437 44.323,-73.533 44.831,-74.041 47.752,-74.041 48.26,-73.533 48.26,-67.691 45.593,-65.024 41.021,-65.024 41.021,-66.802
5V on Top Layer "5V_L01_P028" (solid, pour order 28): 42.418,-18.872 45.085,-18.872 45.085,-21.336 42.418,-21.336
5V on Top Layer "5V_L01_P014" (solid, pour order 14): 49.784,-51.816 52.451,-51.816 52.451,-53.721 49.784,-53.721
5V on Top Layer "5V_L01_P021" (solid, pour order 21): 8.128,-37.645 8.128,-38.534 3.937,-38.534 3.937,-37.645
NetL2_1 on Top Layer "NETL2_1_L01_P023" (solid, pour order 23): 43.18,-59.182 43.942,-59.182 43.942,-60.833 44.577,-61.468 45.593,-61.468 45.593,-63.246 41.021,-63.246 41.021,-61.468 42.545,-61.468 43.18,-60.833
DGND on Top Layer "DGND_L01_P003" (solid, pour order 3): 45.974,-42.672 45.847,-42.799 45.847,-43.942 47.244,-43.942 47.244,-42.672 48.768,-42.672 48.768,-44.196 50.8,-44.196 50.8,-42.291 48.006,-42.291 47.752,-42.037 44.323,-42.037 43.942,-41.656 43.053,-41.656 42.037,-42.672 40.894,-42.672 40.894,-43.942 42.291,-43.942 42.291,-43.561 43.18,-42.672
DGND on Top Layer "DGND_L01_P022" (solid, pour order 22): 3.937,-39.55 8.128,-39.55 8.128,-38.534 3.937,-38.534
DGND on Top Layer "DGND_L01_P018" (solid, pour order 18): 38.862,-64.135 37.465,-64.135 37.465,-65.532 38.862,-65.532 38.862,-67.691 37.592,-68.961 32.893,-68.961 32.893,-67.183 37.084,-62.992 38.862,-62.992
DGND on Top Layer "DGND_L01_P017" (solid, pour order 17): 47.752,-59.182 47.752,-64.643 49.149,-64.643 49.149,-59.182
NetC19_1 on Top Layer "NETC19_1_L01_P008" (solid, pour order 8): 50.768,-48.133 49.752,-48.133 49.752,-51.562 52.673,-51.562 52.673,-50.673 50.768,-50.673
NetD1_1 on Top Layer "NETD1_1_L01_P001" (solid, pour order 1): 43.769,-40.005 44.531,-40.767 44.531,-41.783 45.674,-41.783 45.674,-36.449 44.531,-36.449 44.531,-37.084 43.642,-37.973 42.799,-37.973 42.799,-40.005
LEDK(+) on Top Layer "LEDK(+)_L01_P004" (solid, pour order 4): 41.021,-39.924 41.021,-37.846 40.005,-37.846 40.005,-41.194 40.848,-42.037 42.245,-42.037 42.245,-41.148
LEDK(-) on Top Layer "LEDK(-)_L01_P005" (solid, pour order 5): 45.674,-43.939 43.01,-43.939 43.007,-43.053 45.674,-43.053
5V on Bottom Layer "5V_L04_P027" (solid, pour order 27): 42.418,-26.543 48.895,-33.02 48.895,-40.894 50.8,-40.894 50.8,-31.42 45.085,-25.705 45.085,-19.787 42.418,-19.787
DGND on GND03 (split plane): 57.49,-85.29 0.51,-85.29 0.51,-0.51 57.49,-0.51
3V3 on PWR02 (split plane): 57.49,-34.871 8.207,-34.871 8.207,-0.51 57.49,-0.51
5V on PWR02 (split plane): 7.948,-35 7.958,-35.05 7.986,-35.092 8.028,-35.12 8.077,-35.129 57.49,-35.129 57.49,-85.29 0.51,-85.29 0.51,-0.51 7.948,-0.51

## Keep-outs
Keep-Out Layer:
  lines w0.203: 33.376,-40.919 ccw(c33.376,-40.132) 34.163,-40.132 ccw(c33.376,-40.132) 33.376,-39.345 10.82,-39.345 ccw(c10.82,-40.132) 10.033,-40.132 ccw(c10.82,-40.132) 10.82,-40.919 33.376,-40.919
  lines w0.254: 0,-85.8 0,0 58,0 58,-85.8 0,-85.8

## Other copper
PWR02 (plane layer: these items are gaps in the copper):
  lines w0.254: 8.077,-0.102 8.077,-35 57.785,-35

## Silkscreen, mask and mechanical layers (free items; w line width, h text height)
Top Overlay:
  drawing of 19095 lines, arcs and shapes, not listed
  text "ON/OFF" at 41.91,-4.899 h2
  text "DIGITAL" at 19.304,-6.581 h2
  text "TVS" at 37.592,-8.001 h1.91
  text "Protected" at 37.465,-9.144 h1.27
  text "SCK0" at 49.621,-28.132 h1.5
  text "SDO0" at 49.621,-29.382 h1.5
  text "SCK7" at 49.621,-30.644 h1.5
  text "SDO7" at 49.621,-31.863 h1.5
  text "ANALOG" at 1.905,-32.362 h2
  text "GND" at 49.621,-33.133 h1.5
  text "3V3" at 49.621,-34.403 h1.5
  text "Pin1" at 10.008,-37.618 h2
  text "Pin40" at 31.039,-37.618 h2
  text "<PixelOsc>" at 7.578,-45.831 h6
  text "PANEL" at 2.438,-47.296 h2
  text "Designed by nand in China" at 9.766,-48.901 h3.4
  text "3V3" at 1.778,-51.011 h2.2
  text "Components from" at 14.728,-51.78 h3
  text "TX" at 1.778,-53.17 h2.2
  text "{" at 4.739,-62.46 h15
  text "}" at 34.83,-62.46 h15
  text "RX" at 1.778,-65.997 h2.2
  text "GND" at 1.778,-68.029 h2.2
  text "-" at 51.31,-72.485 h3
  text "+" at 54.356,-72.628 h3
  text "BATTERY" at 50.165,-76.835 h2.29
  text "Core Board Version 0.1" at 7.62,-77.034 h2.03
  text "TVS" at 28.448,-78.105 h1.91
  text "3.7V TYP" at 50.165,-78.948 h1.91
  text "Protected" at 28.321,-79.248 h1.27
  text "Scan Qcode" at 14.224,-79.677 h2.03
  text "4.2V MAX" at 50.165,-80.772 h1.91
  text "to open" at 14.224,-81.534 h2.03
  text "GitHub" at 14.224,-83.439 h2.03
Bottom Overlay:
  drawing of 44556 lines, arcs and shapes, not listed
Mechanical 1:
  lines w0.203: 33.376,-40.919 ccw(c33.376,-40.132) 34.163,-40.132 ccw(c33.376,-40.132) 33.376,-39.345 10.82,-39.345 ccw(c10.82,-40.132) 10.033,-40.132 ccw(c10.82,-40.132) 10.82,-40.919 33.376,-40.919
  lines w0.254: 0,-85.8 58,-85.8 58,0 0,0 0,-85.8

## Text inside footprints (layer, text, board x,y; h text height)
USB1: Top Overlay "VCC" at 45.752,-20.574 h1.02; Top Overlay "D-" at 45.752,-17.526 h1.02; Top Overlay "D+" at 45.752,-15.494 h1.02; Top Overlay "GND" at 45.752,-12.446 h1.02